# KiCad board XIAO ePaper Display Board EE03_V1.0.kicad_pcb (continued)
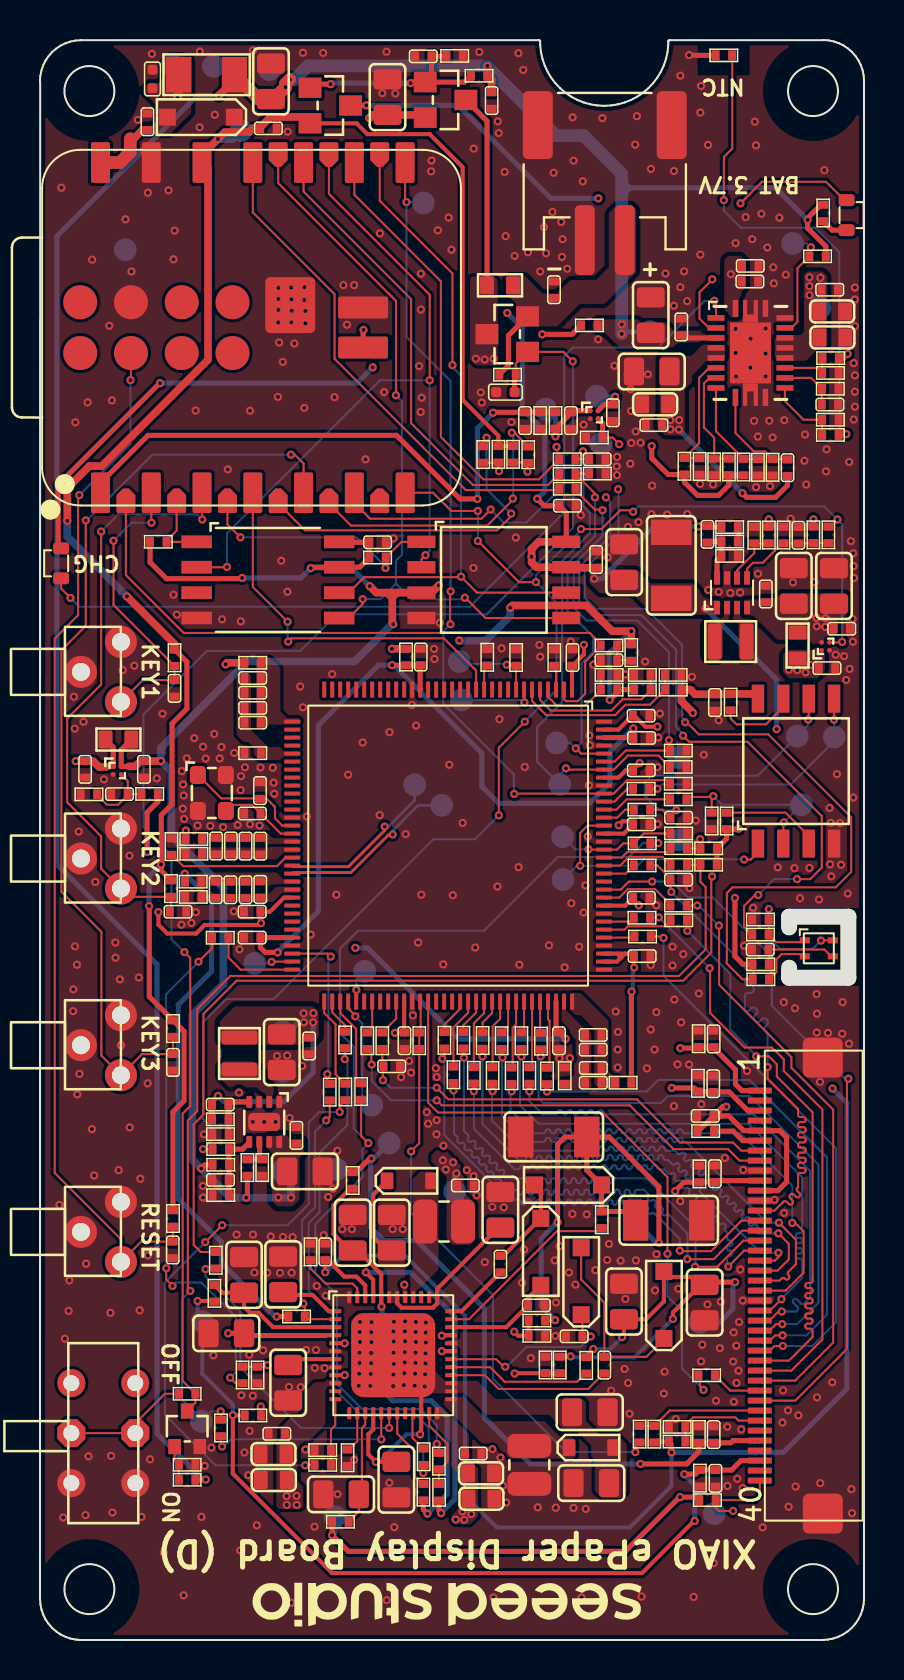
[diagram p0: board, top side]
## Routing (per net, layer and track width the routed paths; a pad name or vN(x,y) marks a point on that pad's centre or on a via; arc(x,y) is an arc through that point) (continued)
SDDO1: length 27.6
  Top w0.102: v1(20.69,27.48) R86.2 ; J1.15 35.13,20.47 33.71,19.04 v1(32.39,19.04)
  Bottom w0.102: v1(20.69,27.48) 20.72,27.45 20.72,25.31 20.89,25.14 arc(20.91,25.09) 20.89,25.03 arc(20.87,24.98) 20.89,24.93 20.96,24.85 arc(21.02,24.83) 21.07,24.85 arc(21.13,24.88) 21.18,24.85 21.25,24.78 arc(21.27,24.73) 21.25,24.67 arc(21.23,24.62) 21.25,24.57 21.32,24.49 arc(21.38,24.47) 21.43,24.49 arc(21.48,24.52) 21.54,24.49 21.61,24.42 arc(21.63,24.37) 21.61,24.31 arc(21.59,24.26) 21.61,24.21 21.68,24.13 arc(21.74,24.11) 21.79,24.13 arc(21.84,24.16) 21.9,24.13 21.97,24.06 arc(21.99,24.01) 21.97,23.96 arc(21.95,23.9) 21.97,23.85 22.04,23.78 arc(22.1,23.75) 22.15,23.78 arc(22.2,23.8) 22.26,23.78 22.33,23.7 arc(22.35,23.65) 22.33,23.6 arc(22.31,23.54) 22.33,23.49 22.4,23.42 arc(22.45,23.39) 22.51,23.42 arc(22.56,23.44) 22.62,23.42 22.69,23.34 arc(22.71,23.29) 22.69,23.24 arc(22.67,23.18) 22.69,23.13 22.76,23.06 arc(22.81,23.04) 22.87,23.06 arc(22.92,23.08) 22.98,23.06 23.05,22.99 arc(23.07,22.93) 23.05,22.88 arc(23.02,22.82) 23.05,22.77 23.12,22.7 arc(23.17,22.68) 23.23,22.7 arc(23.28,22.72) 23.33,22.7 23.52,22.51 23.82,22.51 arc(23.89,22.48) 23.92,22.41 23.92,22.36 arc(23.95,22.29) 24.03,22.26 24.08,22.26 arc(24.15,22.29) 24.18,22.36 24.18,22.41 arc(24.21,22.48) 24.28,22.51 24.33,22.51 arc(24.4,22.48) 24.43,22.41 24.43,22.36 arc(24.46,22.29) 24.53,22.26 24.59,22.26 arc(24.66,22.29) 24.69,22.36 24.69,22.41 arc(24.72,22.48) 24.79,22.51 24.84,22.51 arc(24.91,22.48) 24.94,22.41 24.94,22.36 arc(24.97,22.29) 25.04,22.26 25.09,22.26 arc(25.16,22.29) 25.19,22.36 25.19,22.41 arc(25.22,22.48) 25.3,22.51 25.35,22.51 arc(25.42,22.48) 25.45,22.41 25.45,22.36 arc(25.48,22.29) 25.55,22.26 25.6,22.26 arc(25.67,22.29) 25.7,22.36 25.7,22.41 arc(25.73,22.48) 25.8,22.51 25.86,22.51 arc(25.93,22.48) 25.96,22.41 25.96,22.36 arc(25.99,22.29) 26.06,22.26 26.11,22.26 arc(26.18,22.29) 26.21,22.36 26.21,22.41 arc(26.24,22.48) 26.31,22.51 26.36,22.51 arc(26.43,22.48) 26.46,22.41 26.46,22.36 arc(26.49,22.29) 26.57,22.26 26.62,22.26 arc(26.69,22.29) 26.72,22.36 26.72,22.41 arc(26.75,22.48) 26.82,22.51 26.87,22.51 arc(26.94,22.48) 26.97,22.41 26.97,22.36 arc(27,22.29) 27.07,22.26 27.13,22.26 arc(27.2,22.29) 27.23,22.36 27.23,22.41 arc(27.26,22.48) 27.33,22.51 27.38,22.51 arc(27.45,22.48) 27.48,22.41 27.48,22.36 arc(27.51,22.29) 27.58,22.26 27.63,22.26 arc(27.7,22.29) 27.73,22.36 27.73,22.41 arc(27.76,22.48) 27.84,22.51 27.89,22.51 arc(27.96,22.48) 27.99,22.41 27.99,22.36 arc(28.02,22.29) 28.09,22.26 28.14,22.26 arc(28.21,22.29) 28.24,22.36 28.24,22.41 arc(28.27,22.48) 28.34,22.51 28.4,22.51 arc(28.47,22.48) 28.5,22.41 28.5,22.36 arc(28.53,22.29) 28.6,22.26 28.65,22.26 arc(28.72,22.29) 28.75,22.36 28.75,22.41 arc(28.78,22.48) 28.85,22.51 28.9,22.51 arc(28.97,22.48) 29,22.41 29,22.36 arc(29.03,22.29) 29.11,22.26 29.16,22.26 arc(29.23,22.29) 29.26,22.36 29.26,22.41 arc(29.29,22.48) 29.36,22.51 29.41,22.51 arc(29.48,22.48) 29.51,22.41 29.51,22.36 arc(29.54,22.29) 29.61,22.26 29.67,22.26 arc(29.74,22.29) 29.77,22.36 29.77,22.41 arc(29.8,22.48) 29.87,22.51 30.22,22.51 30.43,22.3 arc(30.46,22.23) 30.43,22.16 arc(30.4,22.09) 30.43,22.02 30.47,21.98 arc(30.54,21.95) 30.61,21.98 arc(30.68,22.01) 30.76,21.98 30.79,21.94 arc(30.82,21.87) 30.79,21.8 arc(30.76,21.73) 30.79,21.66 30.83,21.62 arc(30.9,21.59) 30.97,21.62 arc(31.04,21.65) 31.11,21.62 31.15,21.58 arc(31.18,21.51) 31.15,21.44 arc(31.12,21.37) 31.15,21.3 31.19,21.26 arc(31.26,21.23) 31.33,21.26 arc(31.4,21.29) 31.47,21.26 32.4,20.34 32.4,19.05 v1(32.39,19.04)
SDDO2: length 27.6
  Top w0.102: R85.2 21.19,29.13 v1(21.21,29.11) ; J1.16 35.19,19.97 33.89,18.66 v1(32.78,18.66)
  Bottom w0.102: v1(32.78,18.66) 32.8,18.68 32.8,20.63 30.35,23.08 28.72,23.08 arc(28.65,23.05) 28.62,22.98 28.62,22.94 arc(28.59,22.87) 28.52,22.84 28.46,22.84 arc(28.39,22.87) 28.36,22.94 28.36,22.98 arc(28.33,23.05) 28.26,23.08 28.21,23.08 arc(28.14,23.05) 28.11,22.98 28.11,22.94 arc(28.08,22.87) 28.01,22.84 27.96,22.84 arc(27.88,22.87) 27.85,22.94 27.85,22.98 arc(27.82,23.05) 27.75,23.08 27.7,23.08 arc(27.63,23.05) 27.6,22.98 27.6,22.94 arc(27.57,22.87) 27.5,22.84 27.45,22.84 arc(27.38,22.87) 27.35,22.94 27.35,22.98 arc(27.32,23.05) 27.25,23.08 27.19,23.08 arc(27.12,23.05) 27.09,22.98 27.09,22.94 arc(27.06,22.87) 26.99,22.84 26.94,22.84 arc(26.87,22.87) 26.84,22.94 26.84,22.98 arc(26.81,23.05) 26.74,23.08 26.69,23.08 arc(26.61,23.05) 26.58,22.98 26.58,22.94 arc(26.55,22.87) 26.48,22.84 26.43,22.84 arc(26.36,22.87) 26.33,22.94 26.33,22.98 arc(26.3,23.05) 26.23,23.08 26.18,23.08 arc(26.11,23.05) 26.08,22.98 26.08,22.94 arc(26.05,22.87) 25.98,22.84 25.92,22.84 arc(25.85,22.87) 25.82,22.94 25.82,22.98 arc(25.79,23.05) 25.72,23.08 25.67,23.08 arc(25.6,23.05) 25.57,22.98 25.57,22.94 arc(25.54,22.87) 25.47,22.84 25.42,22.84 arc(25.34,22.87) 25.31,22.94 25.31,22.98 arc(25.28,23.05) 25.21,23.08 25.16,23.08 arc(25.09,23.05) 25.06,22.98 25.06,22.94 arc(25.03,22.87) 24.96,22.84 24.91,22.84 arc(24.84,22.87) 24.81,22.94 24.81,22.98 arc(24.78,23.05) 24.71,23.08 24.65,23.08 arc(24.58,23.05) 24.55,22.98 24.55,22.94 arc(24.52,22.87) 24.45,22.84 24.4,22.84 arc(24.33,22.87) 24.3,22.94 24.3,22.98 arc(24.27,23.05) 24.2,23.08 23.59,23.08 23.54,23.14 arc(23.47,23.16) 23.4,23.14 arc(23.32,23.11) 23.25,23.14 23.22,23.17 arc(23.19,23.24) 23.22,23.31 arc(23.25,23.39) 23.22,23.46 23.18,23.49 arc(23.11,23.52) 23.04,23.49 arc(22.97,23.47) 22.9,23.49 22.86,23.53 arc(22.83,23.6) 22.86,23.67 arc(22.89,23.74) 22.86,23.82 22.82,23.85 arc(22.75,23.88) 22.68,23.85 arc(22.61,23.82) 22.54,23.85 22.5,23.89 arc(22.47,23.96) 22.5,24.03 arc(22.53,24.1) 22.5,24.17 22.46,24.21 arc(22.39,24.24) 22.32,24.21 arc(22.25,24.18) 22.18,24.21 22.14,24.25 arc(22.11,24.32) 22.14,24.39 arc(22.17,24.46) 22.14,24.53 22.1,24.57 arc(22.03,24.6) 21.96,24.57 arc(21.89,24.54) 21.82,24.57 21.78,24.61 arc(21.75,24.68) 21.78,24.75 arc(21.81,24.82) 21.78,24.89 21.74,24.93 arc(21.67,24.96) 21.6,24.93 arc(21.53,24.9) 21.46,24.93 21.42,24.97 arc(21.39,25.04) 21.42,25.11 arc(21.45,25.18) 21.42,25.25 21.21,25.46 v1(21.21,29.11)
SDDO3: length 26.5
  Top w0.102: J1.17 35.23,19.47 v1(34.44,18.67) ; R68.2 v1(21.71,27.44)
  Bottom w0.102: v1(21.71,27.44) 21.71,25.57 23.75,23.53 23.92,23.53 arc(24,23.56) 24.03,23.63 arc(24.06,23.71) 24.13,23.74 24.18,23.74 arc(24.25,23.71) 24.28,23.64 arc(24.31,23.56) 24.38,23.53 24.43,23.53 arc(24.5,23.56) 24.53,23.63 arc(24.56,23.71) 24.64,23.74 24.69,23.74 arc(24.76,23.71) 24.79,23.64 arc(24.82,23.56) 24.89,23.53 24.94,23.53 arc(25.01,23.56) 25.04,23.63 arc(25.07,23.71) 25.14,23.74 25.19,23.74 arc(25.27,23.71) 25.3,23.64 arc(25.33,23.56) 25.4,23.53 25.45,23.53 arc(25.52,23.56) 25.55,23.63 arc(25.58,23.71) 25.65,23.74 25.7,23.74 arc(25.77,23.71) 25.8,23.64 arc(25.83,23.56) 25.91,23.53 25.96,23.53 arc(26.03,23.56) 26.06,23.63 arc(26.09,23.71) 26.16,23.74 26.21,23.74 arc(26.28,23.71) 26.31,23.64 arc(26.34,23.56) 26.41,23.53 26.46,23.53 arc(26.54,23.56) 26.57,23.63 arc(26.6,23.71) 26.67,23.74 26.72,23.74 arc(26.79,23.71) 26.82,23.64 arc(26.85,23.56) 26.92,23.53 26.97,23.53 arc(27.04,23.56) 27.07,23.63 arc(27.1,23.71) 27.18,23.74 27.23,23.74 arc(27.3,23.71) 27.33,23.64 arc(27.36,23.56) 27.43,23.53 27.48,23.53 arc(27.55,23.56) 27.58,23.63 arc(27.61,23.71) 27.68,23.74 27.73,23.74 arc(27.81,23.71) 27.84,23.64 arc(27.87,23.56) 27.94,23.53 27.99,23.53 arc(28.06,23.56) 28.09,23.63 arc(28.12,23.71) 28.19,23.74 28.24,23.74 arc(28.31,23.71) 28.34,23.64 arc(28.37,23.56) 28.45,23.53 28.5,23.53 arc(28.57,23.56) 28.6,23.63 arc(28.63,23.71) 28.7,23.74 28.75,23.74 arc(28.82,23.71) 28.85,23.64 arc(28.88,23.56) 28.95,23.53 29,23.53 arc(29.08,23.56) 29.11,23.63 arc(29.14,23.71) 29.21,23.74 29.26,23.74 arc(29.33,23.71) 29.36,23.64 arc(29.39,23.56) 29.46,23.53 29.51,23.53 arc(29.58,23.56) 29.61,23.63 arc(29.64,23.71) 29.72,23.74 29.77,23.74 arc(29.84,23.71) 29.87,23.64 arc(29.9,23.56) 29.97,23.53 30.02,23.53 arc(30.09,23.56) 30.12,23.63 arc(30.15,23.71) 30.22,23.74 30.27,23.74 arc(30.35,23.71) 30.38,23.64 arc(30.41,23.56) 30.48,23.53 30.53,23.53 arc(30.6,23.56) 30.63,23.63 arc(30.66,23.71) 30.73,23.74 30.78,23.74 arc(30.85,23.71) 30.88,23.64 arc(30.91,23.56) 30.99,23.53 31.23,23.53 31.44,23.32 arc(31.52,23.29) 31.59,23.32 31.59,23.32 arc(31.66,23.35) 31.73,23.32 31.77,23.28 arc(31.8,23.21) 31.77,23.14 arc(31.74,23.07) 31.77,23 31.8,22.96 arc(31.88,22.93) 31.95,22.96 arc(32.02,22.99) 32.09,22.96 32.13,22.92 arc(32.16,22.85) 32.13,22.78 arc(32.1,22.71) 32.13,22.64 32.16,22.6 arc(32.23,22.57) 32.31,22.6 32.31,22.6 arc(32.38,22.63) 32.45,22.6 32.49,22.56 arc(32.52,22.49) 32.49,22.42 32.49,22.42 arc(32.46,22.35) 32.49,22.28 32.52,22.24 arc(32.59,22.21) 32.67,22.24 arc(32.74,22.27) 32.81,22.24 32.85,22.21 arc(32.88,22.13) 32.85,22.06 arc(32.82,21.99) 32.84,21.92 32.88,21.88 arc(32.95,21.85) 33.02,21.88 arc(33.1,21.91) 33.17,21.88 33.2,21.85 arc(33.23,21.77) 33.2,21.7 33.2,21.7 arc(33.17,21.63) 33.2,21.56 33.24,21.52 arc(33.31,21.49) 33.38,21.52 33.38,21.52 arc(33.46,21.55) 33.53,21.52 33.56,21.49 arc(33.59,21.42) 33.56,21.34 arc(33.53,21.27) 33.56,21.2 33.6,21.16 arc(33.67,21.13) 33.74,21.16 arc(33.82,21.19) 33.89,21.16 33.92,21.13 arc(33.95,21.06) 33.92,20.98 arc(33.89,20.91) 33.92,20.84 33.96,20.8 arc(34.03,20.77) 34.1,20.8 34.1,20.8 arc(34.17,20.83) 34.25,20.8 34.28,20.77 arc(34.31,20.7) 34.28,20.62 34.28,20.62 arc(34.25,20.55) 34.28,20.48 34.38,20.38 34.38,20.07 arc(34.41,20) 34.49,19.97 34.54,19.97 arc(34.61,19.94) 34.64,19.87 34.64,19.82 arc(34.61,19.75) 34.54,19.72 34.49,19.72 arc(34.41,19.69) 34.38,19.62 34.38,19.57 arc(34.41,19.49) 34.49,19.46 34.54,19.46 arc(34.61,19.44) 34.64,19.36 34.64,19.31 arc(34.61,19.24) 34.54,19.21 34.49,19.21 arc(34.41,19.18) 34.38,19.11 34.38,18.73 v1(34.44,18.67)
SDDO4: length 27.6
  Top w0.102: v1(36.95,19.36) 36.95,19.14 36.77,18.97 J1.18 ; R67.2 22.15,29.18 v1(22.14,29.18)
  Bottom w0.102: v1(36.95,19.36) 36.06,19.36 33.03,22.39 arc(33.01,22.46) 33.03,22.53 33.06,22.56 arc(33.09,22.63) 33.06,22.7 33.03,22.74 arc(32.96,22.77) 32.88,22.74 32.86,22.71 arc(32.78,22.68) 32.71,22.71 32.68,22.75 arc(32.65,22.82) 32.68,22.89 32.7,22.92 arc(32.73,22.99) 32.7,23.06 32.67,23.1 arc(32.6,23.13) 32.52,23.1 32.5,23.07 arc(32.42,23.04) 32.35,23.07 32.32,23.11 arc(32.29,23.18) 32.32,23.25 32.34,23.28 arc(32.37,23.35) 32.34,23.42 32.31,23.46 arc(32.24,23.49) 32.16,23.46 32.14,23.43 arc(32.07,23.4) 31.99,23.43 31.96,23.47 arc(31.93,23.54) 31.96,23.61 31.99,23.64 arc(32.01,23.71) 31.99,23.78 31.95,23.82 arc(31.88,23.85) 31.81,23.82 31.78,23.79 arc(31.71,23.76) 31.63,23.79 31.42,24 31.3,24 arc(31.23,24.03) 31.2,24.1 31.2,24.14 arc(31.17,24.22) 31.1,24.25 31.04,24.25 arc(30.97,24.22) 30.94,24.14 30.94,24.1 arc(30.91,24.03) 30.84,24 30.79,24 arc(30.72,24.03) 30.69,24.1 30.69,24.14 arc(30.66,24.22) 30.59,24.25 30.54,24.25 arc(30.46,24.22) 30.44,24.14 30.44,24.1 arc(30.41,24.03) 30.33,24 30.28,24 arc(30.21,24.03) 30.18,24.1 30.18,24.14 arc(30.15,24.22) 30.08,24.25 30.03,24.25 arc(29.96,24.22) 29.93,24.14 29.93,24.1 arc(29.9,24.03) 29.83,24 29.77,24 arc(29.7,24.03) 29.67,24.1 29.67,24.14 arc(29.64,24.22) 29.57,24.25 29.52,24.25 arc(29.45,24.22) 29.42,24.14 29.42,24.1 arc(29.39,24.03) 29.32,24 29.27,24 arc(29.19,24.03) 29.17,24.1 29.17,24.14 arc(29.14,24.22) 29.06,24.25 29.01,24.25 arc(28.94,24.22) 28.91,24.14 28.91,24.1 arc(28.88,24.03) 28.81,24 28.76,24 arc(28.69,24.03) 28.66,24.1 28.66,24.14 arc(28.63,24.22) 28.56,24.25 28.5,24.25 arc(28.43,24.22) 28.4,24.14 28.4,24.1 arc(28.37,24.03) 28.3,24 28.25,24 arc(28.18,24.03) 28.15,24.1 28.15,24.14 arc(28.12,24.22) 28.05,24.25 28,24.25 arc(27.92,24.22) 27.9,24.14 27.9,24.1 arc(27.87,24.03) 27.79,24 27.74,24 arc(27.67,24.03) 27.64,24.1 27.64,24.14 arc(27.61,24.22) 27.54,24.25 27.49,24.25 arc(27.42,24.22) 27.39,24.14 27.39,24.1 arc(27.36,24.03) 27.29,24 27.23,24 arc(27.16,24.03) 27.13,24.1 27.13,24.14 arc(27.1,24.22) 27.03,24.25 26.98,24.25 arc(26.91,24.22) 26.88,24.14 26.88,24.1 arc(26.85,24.03) 26.78,24 26.72,24 arc(26.65,24.03) 26.62,24.1 arc(26.59,24.17) 26.52,24.2 26.47,24.2 arc(26.4,24.17) 26.37,24.1 arc(26.34,24.03) 26.27,24 26.22,24 arc(26.14,24.03) 26.12,24.1 arc(26.09,24.17) 26.02,24.2 25.96,24.2 arc(25.89,24.17) 25.86,24.1 arc(25.83,24.03) 25.76,24 25.71,24 arc(25.64,24.03) 25.61,24.1 arc(25.58,24.17) 25.51,24.2 25.45,24.2 arc(25.38,24.17) 25.35,24.1 arc(25.32,24.03) 25.25,24 25.2,24 arc(25.13,24.03) 25.1,24.1 arc(25.07,24.17) 25,24.2 24.95,24.2 arc(24.87,24.17) 24.85,24.1 arc(24.82,24.03) 24.75,24 24.69,24 arc(24.62,24.03) 24.59,24.1 arc(24.56,24.17) 24.49,24.2 24.44,24.2 arc(24.37,24.17) 24.34,24.1 arc(24.31,24.03) 24.24,24 23.94,24 22.14,25.8 v1(22.14,29.18)
SDDO5: length 27.5
  Top w0.102: J1.19 36.9,18.47 37.47,19.03 37.47,19.81 v1(36.95,20.33) ; v1(22.65,27.44) R66.2
  Bottom w0.102: v1(36.95,20.33) 35.91,20.33 35.84,20.4 arc(35.81,20.47) 35.84,20.55 35.88,20.58 arc(35.91,20.65) 35.88,20.73 35.84,20.76 arc(35.77,20.79) 35.7,20.76 35.66,20.73 arc(35.59,20.7) 35.52,20.73 35.48,20.76 arc(35.45,20.83) 35.48,20.91 35.52,20.94 arc(35.55,21.01) 35.52,21.08 35.48,21.12 arc(35.41,21.15) 35.34,21.12 35.3,21.08 arc(35.23,21.06) 35.16,21.08 35.12,21.12 arc(35.09,21.19) 35.12,21.26 35.16,21.3 arc(35.19,21.37) 35.16,21.44 35.12,21.48 arc(35.05,21.51) 34.98,21.48 34.94,21.44 arc(34.87,21.41) 34.8,21.44 34.76,21.48 arc(34.73,21.55) 34.76,21.62 34.8,21.66 arc(34.83,21.73) 34.8,21.8 34.76,21.84 arc(34.69,21.87) 34.62,21.84 34.58,21.8 arc(34.51,21.77) 34.44,21.8 34.4,21.84 arc(34.37,21.91) 34.4,21.98 34.44,22.02 arc(34.47,22.09) 34.44,22.16 34.4,22.2 arc(34.33,22.23) 34.26,22.2 34.22,22.16 arc(34.15,22.13) 34.08,22.16 34.04,22.2 arc(34.01,22.27) 34.04,22.34 34.08,22.38 arc(34.11,22.45) 34.08,22.52 34.04,22.56 arc(33.97,22.59) 33.9,22.56 33.86,22.52 arc(33.79,22.49) 33.72,22.52 33.68,22.56 arc(33.66,22.63) 33.68,22.7 33.72,22.74 arc(33.75,22.81) 33.72,22.88 33.68,22.92 arc(33.61,22.95) 33.54,22.92 33.51,22.88 arc(33.43,22.85) 33.36,22.88 33.33,22.92 arc(33.3,22.99) 33.33,23.06 33.36,23.1 arc(33.39,23.17) 33.36,23.24 33.33,23.28 arc(33.25,23.31) 33.18,23.28 33.15,23.24 arc(33.07,23.21) 33,23.24 32.97,23.28 arc(32.94,23.35) 32.97,23.42 33,23.46 arc(33.03,23.53) 33,23.6 32.97,23.64 arc(32.89,23.66) 32.82,23.64 32.79,23.6 arc(32.71,23.57) 32.64,23.6 32.61,23.64 arc(32.58,23.71) 32.61,23.78 32.64,23.81 arc(32.67,23.89) 32.64,23.96 32.61,23.99 arc(32.54,24.02) 32.46,23.99 32.43,23.96 arc(32.36,23.93) 32.28,23.96 32.25,23.99 arc(32.22,24.07) 32.25,24.14 32.28,24.17 arc(32.31,24.25) 32.28,24.32 32.25,24.35 arc(32.18,24.38) 32.1,24.35 32.07,24.32 arc(32,24.29) 31.92,24.32 31.78,24.46 31.35,24.46 arc(31.28,24.49) 31.25,24.56 arc(31.22,24.64) 31.15,24.67 31.1,24.67 arc(31.02,24.64) 31,24.57 arc(30.97,24.49) 30.89,24.46 30.84,24.46 arc(30.77,24.49) 30.74,24.56 arc(30.71,24.64) 30.64,24.67 30.59,24.67 arc(30.52,24.64) 30.49,24.57 arc(30.46,24.49) 30.39,24.46 30.33,24.46 arc(30.26,24.49) 30.23,24.56 arc(30.2,24.64) 30.13,24.67 30.08,24.67 arc(30.01,24.64) 29.98,24.57 arc(29.95,24.49) 29.88,24.46 29.83,24.46 arc(29.75,24.49) 29.73,24.56 arc(29.7,24.64) 29.62,24.67 29.57,24.67 arc(29.5,24.64) 29.47,24.57 arc(29.44,24.49) 29.37,24.46 29.32,24.46 arc(29.25,24.49) 29.22,24.56 arc(29.19,24.64) 29.12,24.67 29.06,24.67 arc(28.99,24.64) 28.96,24.57 arc(28.93,24.49) 28.86,24.46 28.81,24.46 arc(28.74,24.49) 28.71,24.56 arc(28.68,24.64) 28.61,24.67 28.56,24.67 arc(28.48,24.64) 28.46,24.57 arc(28.43,24.49) 28.35,24.46 28.3,24.46 arc(28.23,24.49) 28.2,24.56 arc(28.17,24.64) 28.1,24.67 28.05,24.67 arc(27.98,24.64) 27.95,24.57 arc(27.92,24.49) 27.85,24.46 27.79,24.46 arc(27.72,24.49) 27.69,24.56 arc(27.66,24.64) 27.59,24.67 27.54,24.67 arc(27.47,24.64) 27.44,24.57 arc(27.41,24.49) 27.34,24.46 27.29,24.46 arc(27.21,24.49) 27.19,24.56 arc(27.16,24.64) 27.08,24.67 27.03,24.67 arc(26.96,24.64) 26.93,24.57 arc(26.9,24.49) 26.83,24.46 24.13,24.46 22.61,25.98 22.61,27.4 v1(22.65,27.44)
SDDO6: length 27.5
  Top w0.102: v1(36.97,20.86) 37.82,20.02 37.82,18.79 37.44,18.4 arc(37.41,18.33) 37.44,18.26 37.48,18.22 arc(37.51,18.15) 37.48,18.08 37.44,18.04 arc(37.37,18.02) 37.3,18.04 37.26,18.08 arc(37.19,18.11) 37.12,18.08 37,17.97 J1.20 ; v1(23.14,29.12) 23.1,29.17 R65.2
  Bottom w0.102: v1(36.97,20.86) 36.38,20.86 32.34,24.9 32.25,24.9 arc(32.18,24.93) 32.15,25 arc(32.12,25.07) 32.05,25.1 32,25.1 arc(31.93,25.07) 31.9,25 arc(31.87,24.93) 31.8,24.9 31.74,24.9 arc(31.67,24.93) 31.64,25 arc(31.61,25.07) 31.54,25.1 31.49,25.1 arc(31.42,25.07) 31.39,25 arc(31.36,24.93) 31.29,24.9 31.23,24.9 arc(31.16,24.93) 31.13,25 arc(31.11,25.07) 31.03,25.1 30.98,25.1 arc(30.91,25.07) 30.88,25 arc(30.85,24.93) 30.78,24.9 30.73,24.9 arc(30.66,24.93) 30.63,25 arc(30.6,25.07) 30.53,25.1 30.47,25.1 arc(30.4,25.07) 30.37,25 arc(30.34,24.93) 30.27,24.9 30.22,24.9 arc(30.15,24.93) 30.12,25 arc(30.09,25.07) 30.02,25.1 29.96,25.1 arc(29.89,25.07) 29.86,25 arc(29.84,24.93) 29.76,24.9 29.71,24.9 arc(29.64,24.93) 29.61,25 arc(29.58,25.07) 29.51,25.1 29.46,25.1 arc(29.39,25.07) 29.36,25 arc(29.33,24.93) 29.26,24.9 29.2,24.9 arc(29.13,24.93) 29.1,25 arc(29.07,25.07) 29,25.1 28.95,25.1 arc(28.88,25.07) 28.85,25 arc(28.82,24.93) 28.75,24.9 28.69,24.9 arc(28.62,24.93) 28.59,25 arc(28.57,25.07) 28.49,25.1 28.44,25.1 arc(28.37,25.07) 28.34,25 arc(28.31,24.93) 28.24,24.9 28.19,24.9 arc(28.12,24.93) 28.09,25 arc(28.06,25.07) 27.99,25.1 27.93,25.1 arc(27.86,25.07) 27.83,25 arc(27.8,24.93) 27.73,24.9 27.68,24.9 arc(27.61,24.93) 27.58,25 arc(27.55,25.07) 27.48,25.1 27.42,25.1 arc(27.35,25.07) 27.32,25 arc(27.3,24.93) 27.22,24.9 27.17,24.9 arc(27.1,24.93) 27.07,25 arc(27.04,25.07) 26.97,25.1 26.92,25.1 arc(26.85,25.07) 26.82,25 arc(26.79,24.93) 26.72,24.9 26.66,24.9 arc(26.59,24.93) 26.56,25 arc(26.53,25.07) 26.46,25.1 26.41,25.1 arc(26.34,25.07) 26.31,25 arc(26.28,24.93) 26.21,24.9 26.15,24.9 arc(26.08,24.93) 26.05,25 arc(26.03,25.07) 25.95,25.1 25.9,25.1 arc(25.83,25.07) 25.8,25 arc(25.77,24.93) 25.7,24.9 25.65,24.9 arc(25.58,24.93) 25.55,25 arc(25.52,25.07) 25.45,25.1 25.39,25.1 arc(25.32,25.07) 25.29,25 arc(25.26,24.93) 25.19,24.9 24.42,24.9 23.12,26.21 23.12,29.09 v1(23.14,29.12)
SDDO7: length 27.4
  Top w0.102: v1(37.64,20.85) 37.79,20.85 38.21,20.43 38.21,18.36 37.31,17.47 J1.21 ; v1(23.6,27.43) R64.2
  Bottom w0.102: v1(23.6,27.43) 23.55,27.38 23.55,26.49 24.71,25.33 25.19,25.33 arc(25.26,25.36) 25.29,25.43 arc(25.32,25.5) 25.39,25.53 25.45,25.53 arc(25.52,25.5) 25.55,25.43 arc(25.58,25.36) 25.65,25.33 25.7,25.33 arc(25.77,25.36) 25.8,25.43 arc(25.83,25.5) 25.9,25.53 25.95,25.53 arc(26.03,25.5) 26.05,25.43 arc(26.08,25.36) 26.15,25.33 26.21,25.33 arc(26.28,25.36) 26.31,25.43 arc(26.34,25.5) 26.41,25.53 26.46,25.53 arc(26.53,25.5) 26.56,25.43 arc(26.59,25.36) 26.66,25.33 26.72,25.33 arc(26.79,25.36) 26.82,25.43 arc(26.85,25.5) 26.92,25.53 26.97,25.53 arc(27.04,25.5) 27.07,25.43 arc(27.1,25.36) 27.17,25.33 27.22,25.33 arc(27.3,25.36) 27.32,25.43 arc(27.35,25.5) 27.42,25.53 27.48,25.53 arc(27.55,25.5) 27.58,25.43 arc(27.61,25.36) 27.68,25.33 27.73,25.33 arc(27.8,25.36) 27.83,25.43 arc(27.86,25.5) 27.93,25.53 27.99,25.53 arc(28.06,25.5) 28.09,25.43 arc(28.12,25.36) 28.19,25.33 28.24,25.33 arc(28.31,25.36) 28.34,25.43 arc(28.37,25.5) 28.44,25.53 28.49,25.53 arc(28.57,25.5) 28.59,25.43 arc(28.62,25.36) 28.69,25.33 28.75,25.33 arc(28.82,25.36) 28.85,25.43 arc(28.88,25.5) 28.95,25.53 29,25.53 arc(29.07,25.5) 29.1,25.43 arc(29.13,25.36) 29.2,25.33 29.26,25.33 arc(29.33,25.36) 29.36,25.43 arc(29.39,25.5) 29.46,25.53 29.51,25.53 arc(29.58,25.5) 29.61,25.43 arc(29.64,25.36) 29.71,25.33 29.76,25.33 arc(29.84,25.36) 29.86,25.43 arc(29.89,25.5) 29.96,25.53 30.02,25.53 arc(30.09,25.5) 30.12,25.43 arc(30.15,25.36) 30.22,25.33 30.27,25.33 arc(30.34,25.36) 30.37,25.43 arc(30.4,25.5) 30.47,25.53 30.53,25.53 arc(30.6,25.5) 30.63,25.43 arc(30.66,25.36) 30.73,25.33 30.78,25.33 arc(30.85,25.36) 30.88,25.43 arc(30.91,25.5) 30.98,25.53 31.03,25.53 arc(31.11,25.5) 31.13,25.43 arc(31.16,25.36) 31.23,25.33 31.29,25.33 arc(31.36,25.36) 31.39,25.43 arc(31.42,25.5) 31.49,25.53 31.54,25.53 arc(31.61,25.5) 31.64,25.43 arc(31.67,25.36) 31.74,25.33 31.8,25.33 arc(31.87,25.36) 31.9,25.43 arc(31.93,25.5) 32,25.53 32.05,25.53 arc(32.12,25.5) 32.15,25.43 arc(32.18,25.36) 32.25,25.33 35.03,25.33 37.64,22.72 v1(37.64,20.85)
SDDO8: length 27.7
  Top w0.102: v1(24.09,29.17) 24.09,29.17 R61.2 ; v1(37.1,17.04) 36.52,16.47 J1.23
  Bottom w0.102: v1(37.1,17.04) 37.1,17.06 38.14,18.1 38.14,18.98 arc(38.11,19.05) 38.04,19.08 37.92,19.08 arc(37.85,19.11) 37.82,19.18 37.82,19.23 arc(37.85,19.3) 37.92,19.33 38.04,19.33 arc(38.11,19.36) 38.14,19.43 38.14,19.48 arc(38.11,19.56) 38.04,19.59 37.92,19.59 arc(37.85,19.61) 37.82,19.69 37.82,19.74 arc(37.85,19.81) 37.92,19.84 38.04,19.84 arc(38.11,19.87) 38.14,19.94 38.14,19.99 arc(38.11,20.06) 38.04,20.09 37.92,20.09 arc(37.85,20.12) 37.82,20.19 37.82,20.25 arc(37.85,20.32) 37.92,20.35 38.04,20.35 arc(38.11,20.38) 38.14,20.45 38.14,23.12 35.45,25.81 24.95,25.81 24.02,26.74 24.02,29.1 v1(24.09,29.17)
SDDO9: length 27.7
  Top w0.102: R52.2 v1(24.49,27.43) ; J1.24 36.49,15.97 36.95,16.42 v1(37.12,16.42)
  Bottom w0.102: v1(24.49,27.43) 24.49,26.93 25.14,26.28 25.81,26.28 arc(25.88,26.31) 25.91,26.38 arc(25.93,26.45) 26.01,26.48 26.06,26.48 arc(26.13,26.45) 26.16,26.38 arc(26.19,26.31) 26.26,26.28 26.31,26.28 arc(26.38,26.31) 26.41,26.38 arc(26.44,26.45) 26.51,26.48 26.57,26.48 arc(26.64,26.45) 26.67,26.38 arc(26.7,26.31) 26.77,26.28 26.82,26.28 arc(26.89,26.31) 26.92,26.38 arc(26.95,26.45) 27.02,26.48 27.08,26.48 arc(27.15,26.45) 27.18,26.38 arc(27.2,26.31) 27.28,26.28 27.33,26.28 arc(27.4,26.31) 27.43,26.38 arc(27.46,26.45) 27.53,26.48 27.58,26.48 arc(27.65,26.45) 27.68,26.38 arc(27.71,26.31) 27.78,26.28 27.84,26.28 arc(27.91,26.31) 27.94,26.38 arc(27.97,26.45) 28.04,26.48 28.09,26.48 arc(28.16,26.45) 28.19,26.38 arc(28.22,26.31) 28.29,26.28 35.7,26.28 38.54,23.44 38.54,17.12 38.23,16.82 arc(38.16,16.79) 38.09,16.82 37.88,17.03 arc(37.8,17.06) 37.73,17.03 37.7,17 arc(37.67,16.93) 37.7,16.85 37.91,16.64 arc(37.94,16.57) 37.91,16.5 37.84,16.42 v1(37.12,16.42)
SDDO10: length 28.6
  Top w0.102: R49.2 25.07,29.2 v1(25.05,29.18) ; v1(37.14,15.79) 36.83,15.79 36.5,15.47 J1.25
  Bottom w0.102: v1(37.14,15.79) 37.88,15.79 38.95,16.86 38.95,23.76 35.52,27.19 31.41,27.19 31.07,26.85 25.18,26.85 24.94,27.09 24.94,29.07 v1(25.05,29.18)
SDDO11: length 28
  Top w0.102: v1(37.16,15.23) 36.79,15.23 36.52,14.97 J1.26 ; v1(25.37,27.42) R48.2
  Bottom w0.102: v1(25.37,27.42) 30.36,27.42 30.94,28 35.5,28 39.37,24.13 39.37,16.25 38.35,15.23 v1(37.16,15.23)
SDDO12: length 27.9
  Top w0.102: J1.27 36.52,14.47 36.76,14.7 v1(37.17,14.7) ; v1(31.2,35.1) 31.13,35.17 R90.2
  Bottom w0.102: v1(31.2,35.1) 31.2,33.21 39.84,24.57 39.84,15.9 38.64,14.7 v1(37.17,14.7)
SDDO13: length 29.7
  Top w0.102: v1(35.84,29.18) 36.47,29.18 36.87,28.78 36.87,28.17 38.66,26.38 38.66,17.95 arc(38.63,17.88) 38.56,17.85 38.4,17.85 arc(38.32,17.82) 38.29,17.75 38.29,17.7 arc(38.32,17.63) 38.4,17.6 38.56,17.6 arc(38.63,17.57) 38.66,17.5 38.66,17.44 arc(38.63,17.37) 38.56,17.34 38.4,17.34 arc(38.32,17.31) 38.29,17.24 38.29,17.19 arc(38.32,17.12) 38.4,17.09 38.56,17.09 arc(38.63,17.06) 38.66,16.99 38.66,16.94 arc(38.63,16.87) 38.56,16.84 38.4,16.84 arc(38.32,16.81) 38.29,16.73 38.29,16.68 arc(38.32,16.61) 38.4,16.58 38.56,16.58 arc(38.63,16.55) 38.66,16.48 38.66,16.43 arc(38.63,16.36) 38.56,16.33 38.4,16.33 arc(38.32,16.3) 38.29,16.23 38.29,16.17 arc(38.32,16.1) 38.4,16.07 38.56,16.07 arc(38.63,16.04) 38.66,15.97 38.66,15.92 arc(38.63,15.85) 38.56,15.82 38.4,15.82 arc(38.32,15.79) 38.29,15.72 38.29,15.67 arc(38.32,15.6) 38.4,15.57 38.56,15.57 arc(38.63,15.54) 38.66,15.46 38.66,15.15 37.47,13.97 J1.28 ; R89.2 32.37,35.48 v1(32.39,35.46)
  Bottom w0.102: v1(32.39,35.46) 34.54,33.31 34.54,30.51 35.84,29.21 v1(35.84,29.18)
SDDO14: length 29.5
  Top w0.102: J1.29 37.59,13.47 39.15,15.02 39.15,26.52 37.22,28.45 37.22,29.03 36.63,29.62 35.26,29.62 33.53,31.35 33.53,33.57 v1(33.51,33.59) ; v1(30.97,36.13) 30.95,36.11 R88.2
  Bottom w0.102: v1(33.51,33.59) v1(30.97,36.13)
SDDO15: length 29.7
  Top w0.102: J1.30 37.78,12.97 39.69,14.87 39.69,26.52 37.6,28.61 37.6,29.14 33.98,32.76 33.98,35.71 v1(33.97,35.72) ; v1(32.89,36.72) R114.2
  Bottom w0.102: v1(32.89,36.72) 32.96,36.72 33.96,35.72 v1(33.97,35.72)
SDLE: length 37
  Top w0.102: v1(30.63,37.92) 29.46,37.92 29.06,37.52 U12.107 ; v1(40.45,28.06) 40.4,28.06 40.38,28.04 40.38,14.55 37.79,11.97 J1.32
  Bottom w0.102: v1(30.63,37.92) 31.62,37.92 32.42,37.12 33.67,37.12 36.62,34.17 36.62,31.71 40.32,28.01 40.4,28.01 v1(40.45,28.06)
SDOE: length 30
  Top w0.102: v1(29.79,9.39) 29.79,9.67 R126.1 ; v1(18.57,24.43) 18.98,24.84 R128.1 R128.2 19.05,30.45 19.05,31.89 U12.77
  Bottom w0.102: v1(18.57,24.43) 18.57,21.34 22.67,17.24 22.67,13.06 26.34,9.39 v1(29.79,9.39)
